# KiCad board B1_panel.kicad_pcb (continued)
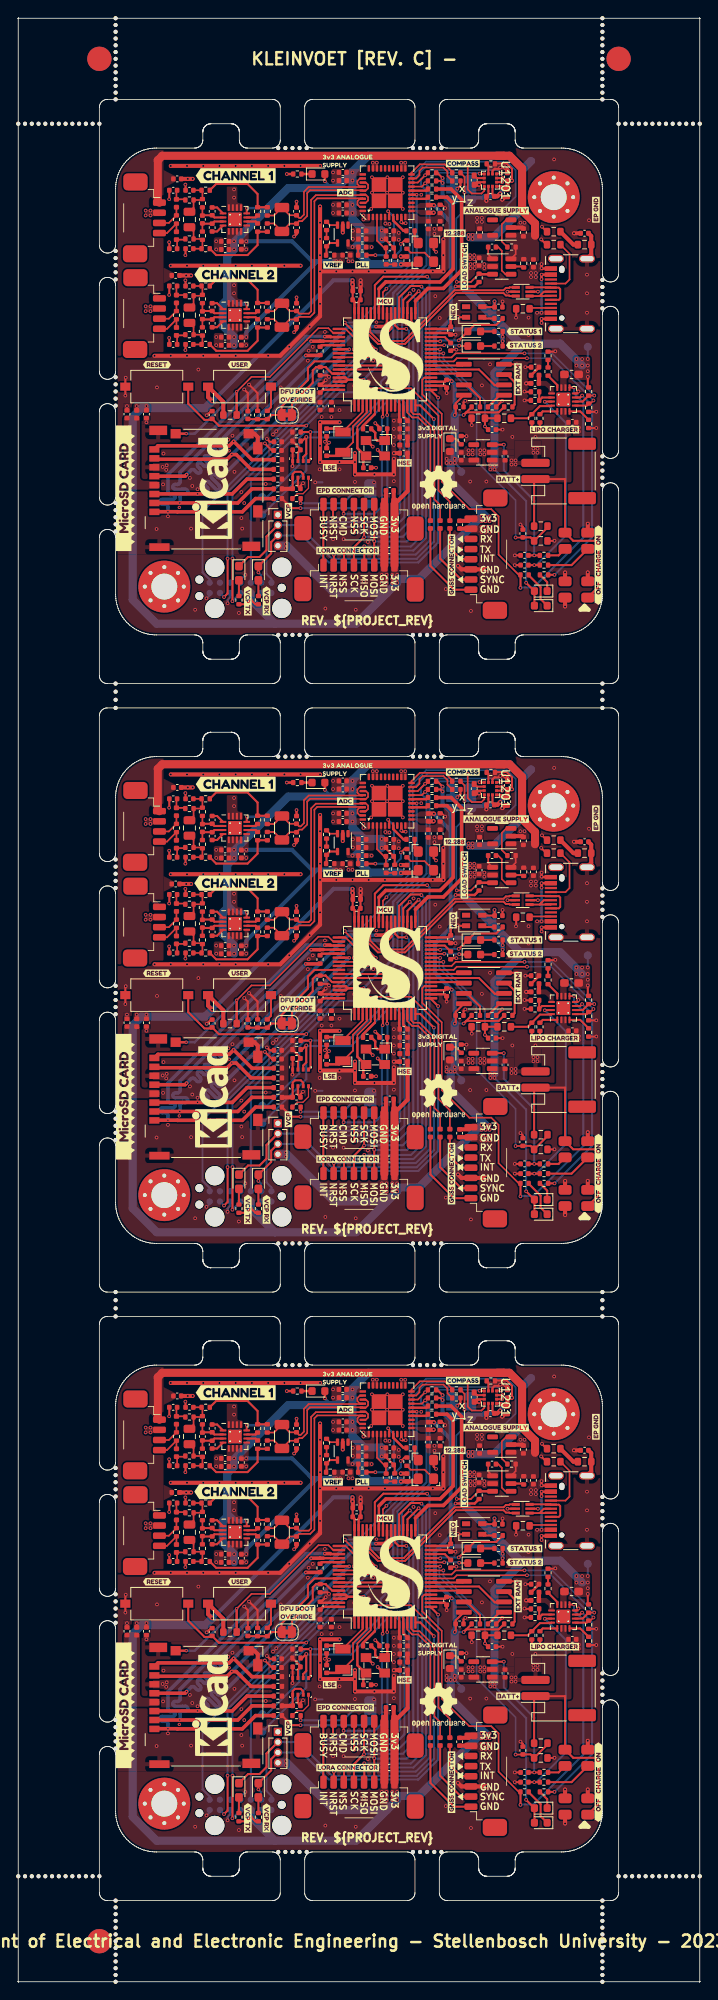
[diagram p0: board, top side]
## Footprints (pads in the part's own frame, mm; a bottom-side part is the same pattern mirrored in y, then rotated)
Bosch_LGA-8_2.5x2.5mm_P0.65mm_ClockwisePinNumbering
  rect 0.35x0.5 smd: 1(-0.975,1.025) 2(-0.325,1.025) 3(0.325,1.025) 4(0.975,1.025) 5(0.975,-1.025) 6(0.325,-1.025) 7(-0.325,-1.025) 8(-0.975,-1.025)
C_0402_1005Metric
  rrect 0.56x0.62 smd: 1(-0.48,0) 2(0.48,0)
C_0402_1005Metric_Pad0.74x0.62mm_HandSolder
  rrect 0.735x0.62 smd: 1(-0.568,0) 2(0.568,0)
C_0805_2012Metric
  rrect 1x1.45 smd: 1(-0.95,0) 2(0.95,0)
C_1206_3216Metric
  rrect 1.15x1.8 smd: 1(-1.475,0) 2(1.475,0)
Connector_Amphenol_10114828-xxx04LF_Vertical
  rrect 2.1x3 smd: (-4.425,1.45) (4.425,1.4)
  rrect 0.8x1.6 smd: 1(1.875,4.4) 2(0.625,4.4) 3(-0.625,4.4) 4(-1.875,4.4)
Connector_Amphenol_10114828-xxx08LF_Vertical
  rrect 2.1x3 smd: (-6.925,1.45) (6.925,1.4)
  rrect 0.8x1.6 smd: 1(4.375,4.4) 2(3.125,4.4) 3(1.875,4.4) 4(0.625,4.4) 5(-0.625,4.4) 6(-1.875,4.4) 7(-3.125,4.4) 8(-4.375,4.4)
ECS-33B
  rect 1.3x1.1 smd: 1(-1.15,-0.95) 2(1.15,-0.95) 3(1.15,0.95) 4(-1.15,0.95)
ECS-TXO-3225MV
  rrect 1.3x1.1 smd: 1(1.15,0.95) 2(-1.15,0.95) 3(-1.15,-0.95) 4(1.15,-0.95)
ECX-31B
  rect 1.1x1.9 smd: 1(-1.25,0) 2(1.25,0)
Fiducial
  round 3 smd: (0,0)
Fuse_0603_1608Metric_Pad1.05x0.95mm_HandSolder
  rrect 1.05x0.95 smd: 1(-0.875,0) 2(0.875,0)
JST_PH_S2B-PH-SM4-TB_1x02-1MP_P2.00mm_Horizontal
  rrect 1x3.5 smd: 1(-1,2.85) 2(1,2.85)
  rrect 1.5x3.4 smd: MP(-3.35,-2.9) MP(3.35,-2.9)
L_0402_1005Metric
  rrect 0.59x0.64 smd: 1(-0.485,0) 2(0.485,0)
LED_0603_1608Metric
  rrect 0.875x0.95 smd: 1(-0.787,0) 2(0.787,0)
LED_0603_1608Metric_Pad1.05x0.95mm_HandSolder
  rrect 1.05x0.95 smd: 1(-0.875,0) 2(0.875,0)
LED_SK6805_PLCC4_2.4x2.7mm_P1.3mm
  rect 1x0.6 smd: 1(-1,0.65) 2(-1,-0.65) 3(1,-0.65) 4(1,0.65)
LFCSP-WQ-40-1EP_6x6mm_P0.5_CP-40-14
  rrect 0.8x0.3 smd: 1(-3,2.25) 2(-3,1.75) 3(-3,1.25) 4(-3,0.75) 5(-3,0.25) 6(-3,-0.25) 7(-3,-0.75) 8(-3,-1.25) 9(-3,-1.75) 10(-3,-2.25) 21(3,-2.25) 22(3,-1.75) 23(3,-1.25) 24(3,-0.75) 25(3,-0.25) 26(3,0.25) 27(3,0.75) 28(3,1.25) 29(3,1.75) 30(3,2.25)
  rrect 0.3x0.8 smd: 11(-2.25,-3) 12(-1.75,-3) 13(-1.25,-3) 14(-0.75,-3) 15(-0.25,-3) 16(0.25,-3) 17(0.75,-3) 18(1.25,-3) 19(1.75,-3) 20(2.25,-3) 31(2.25,3) 32(1.75,3) 33(1.25,3) 34(0.75,3) 35(0.25,3) 36(-0.25,3) 37(-0.75,3) 38(-1.25,3) 39(-1.75,3) 40(-2.25,3)
  rrect 1.8x1.8 smd: EP(-1,1) EP(-1,-1) EP(1,1) EP(1,-1)
LIS3MDL_LGA-12_2x2mm_P0.5mm
  rect 0.375x0.35 smd: 1(-0.762,0.75) 2(-0.762,0.25) 3(-0.762,-0.25) 4(-0.762,-0.75) 7(0.762,-0.75) 8(0.762,-0.25) 9(0.762,0.25) 10(0.762,0.75)
  rect 0.35x0.375 smd: 5(-0.25,-0.762) 6(0.25,-0.762) 11(0.25,0.762) 12(-0.25,0.762)
LQFP-64_10x10mm_P0.5mm
  rrect 1.55x0.3 smd: 1(-5.675,3.75) 2(-5.675,3.25) 3(-5.675,2.75) 4(-5.675,2.25) 5(-5.675,1.75) 6(-5.675,1.25) 7(-5.675,0.75) 8(-5.675,0.25) 9(-5.675,-0.25) 10(-5.675,-0.75) 11(-5.675,-1.25) 12(-5.675,-1.75) 13(-5.675,-2.25) 14(-5.675,-2.75) 15(-5.675,-3.25) 16(-5.675,-3.75) 33(5.675,-3.75) 34(5.675,-3.25) 35(5.675,-2.75) 36(5.675,-2.25) 37(5.675,-1.75) 38(5.675,-1.25) 39(5.675,-0.75) 40(5.675,-0.25) 41(5.675,0.25) 42(5.675,0.75) 43(5.675,1.25) 44(5.675,1.75) 45(5.675,2.25) 46(5.675,2.75) 47(5.675,3.25) 48(5.675,3.75)
  rrect 0.3x1.55 smd: 17(-3.75,-5.675) 18(-3.25,-5.675) 19(-2.75,-5.675) 20(-2.25,-5.675) 21(-1.75,-5.675) 22(-1.25,-5.675) 23(-0.75,-5.675) 24(-0.25,-5.675) 25(0.25,-5.675) 26(0.75,-5.675) 27(1.25,-5.675) 28(1.75,-5.675) 29(2.25,-5.675) 30(2.75,-5.675) 31(3.25,-5.675) 32(3.75,-5.675) 49(3.75,5.675) 50(3.25,5.675) 51(2.75,5.675) 52(2.25,5.675) 53(1.75,5.675) 54(1.25,5.675) 55(0.75,5.675) 56(0.25,5.675) 57(-0.25,5.675) 58(-0.75,5.675) 59(-1.25,5.675) 60(-1.75,5.675) 61(-2.25,5.675) 62(-2.75,5.675) 63(-3.25,5.675) 64(-3.75,5.675)
microSD_HC_Molex_5031821852
  rect 0.8x1.25 smd: 1(4.82,-0.625) 2(5.92,-0.625) 3(7.02,-0.625) 4(8.12,-0.625) 5(9.22,-0.625) 6(10.32,-0.625) 7(11.42,-0.625) 8(12.52,-0.625)
  rect 1.16x1.25 smd: 9(14.46,-12.25) 10(14.46,-3.25)
  rect 0.95x2.5 smd: 11(0.475,-1.25)
  rect 1.15x2.2 smd: 11(0.575,-12.58) 11(14.865,-1.1)
  rect 1.5x1.15 smd: 11(4.88,-13.375) 11(12.66,-13.375)
MountingHole_3.2mm_M3_Pad_Via
  round 0.8 hole 0.5: 1(-2.4,0) 1(-1.697,1.697) 1(-1.697,-1.697) 1(0,2.4) 1(0,-2.4) 1(1.697,1.697) 1(1.697,-1.697) 1(2.4,0)
  round 6.4 hole 3.2: 1(0,0)
NPTH
  round 0.5 hole 0.5 unplated: (0,0)
PinHeader_1x04_P1.27mm_Vertical
  rect 1x1 hole 0.65: 1(0,0)
  oval 1x1 hole 0.65: 2(0,-1.27) 3(0,-2.54) 4(0,-3.81)
R_0402_1005Metric
  rrect 0.54x0.64 smd: 1(-0.51,0) 2(0.51,0)
R_0603_1608Metric
  rrect 0.8x0.95 smd: 1(-0.825,0) 2(0.825,0)
SOIC-8_3.9x4.9mm_P1.27mm
  rrect 1.95x0.6 smd: 1(-2.475,1.905) 2(-2.475,0.635) 3(-2.475,-0.635) 4(-2.475,-1.905) 5(2.475,-1.905) 6(2.475,-0.635) 7(2.475,0.635) 8(2.475,1.905)
SolderJumper-2_P1.3mm_Bridged_RoundedPad1.0x1.5mm
  custom 1x1.5 smd: 1(-0.65,0) 2(0.65,0)
SolderJumper-3_P1.3mm_Bridged12_RoundedPad1.0x1.5mm_NumberLabels
  custom 1.05x1.5 smd: 1(-1.3,0) 3(1.3,0)
  rect 1x1.5 smd: 2(0,0)
SOT-23-5
  rrect 1.325x0.6 smd: 1(-1.137,0.95) 2(-1.137,0) 3(-1.137,-0.95) 4(1.137,-0.95) 5(1.137,0.95)
SOT-23-6
  rrect 1.325x0.6 smd: 1(-1.137,0.95) 2(-1.137,0) 3(-1.137,-0.95) 4(1.137,-0.95) 5(1.137,0) 6(1.137,0.95)
SOT-666_Handsoldering
  rect 1x0.375 smd: 1(-0.85,0.537) 3(-0.85,-0.537) 4(0.85,-0.537) 6(0.85,0.537)
  rect 1.2x0.3 smd: 2(-0.925,0) 5(0.925,0)
SW_DP3T_Nidec-Cobal_CL-SB-23A
  rrect 1.2x1.6 smd: 1(-4,-1.4) 2(-2,-1.4) 3(2,-1.4) 4(4,-1.4) 5(-4,1.4) 6(-2,1.4) 7(2,1.4) 8(4,1.4)
SW_Tactile_SPST_NO_Straight_CK_PTS636Sx25SMTRLFS
  rect 1.25x1 smd: 1(-3.875,0) 2(3.875,0)
Tag-Connect_TC2070-IDC-FP_2x07_P1.27mm_Vertical
  round 2.375 hole 2.375 unplated: (-5.08,-2.54) (-5.08,2.54) (3.175,-2.54) (3.175,2.54)
  round 0.991 hole 0.991 unplated: (-5.08,0) (5.08,-1.016) (5.08,1.016)
  round 0.787 smd: 1(-3.81,-0.635) 2(-2.54,-0.635) 3(-1.27,-0.635) 4(0,-0.635) 5(1.27,-0.635) 6(2.54,-0.635) 7(3.81,-0.635) 8(3.81,0.635) 9(2.54,0.635) 10(1.27,0.635) 11(0,0.635) 12(-1.27,0.635) 13(-2.54,0.635) 14(-3.81,0.635)
TestPoint_Pad_D1.0mm
  round 1 smd: 1(0,0)
Texas_R-PDSO-G5_DCK-5
  rrect 0.9x0.4 smd: 1(-1.1,0.65) 2(-1.1,0) 3(-1.1,-0.65) 4(1.1,-0.65) 5(1.1,0.65)
USB_C_Recepetacle_JAE_DX07S016JA1
  round 0.65 hole 0.65 unplated: (-3,0)
  oval 0.9x0.65 hole 0.9x0.65 unplated: (3,0)
  rect 0.52x1.5 smd: A1(-3.1,1.35) A4(-2.35,1.35) A9(2.35,1.35) B1(3.1,1.35) B4(2.35,1.35) B9(-2.35,1.35) B12(-3.1,1.35)
  rect 0.28x1.5 smd: A5(-1.75,1.35) A6(-0.25,1.35) A7(0.75,1.35) A8(1.75,1.35) B5(1.25,1.35) B6(0.25,1.35) B7(-0.75,1.35) B8(-1.25,1.35)
  rect 0.523x1.5 smd: A12(3.1,1.35)
  oval 0.95x1.95 hole 0.65x1.65: S1(-4.32,0.725) S1(-4.32,-3.1) S1(4.32,0.725) S1(4.32,-3.1)
VQFN-16-1EP_3x3mm_P0.5mm_EP1.68x1.68mm_ThermalVias
  rrect 0.73x0.73 smd: (-0.42,0.42) (-0.42,-0.42) (0.42,0.42) (0.42,-0.42)
  rrect 0.825x0.25 smd: 1(-1.462,0.75) 2(-1.462,0.25) 3(-1.462,-0.25) 4(-1.462,-0.75) 9(1.462,-0.75) 10(1.462,-0.25) 11(1.462,0.25) 12(1.462,0.75)
  rrect 0.25x0.825 smd: 5(-0.75,-1.462) 6(-0.25,-1.462) 7(0.25,-1.462) 8(0.75,-1.462) 13(0.75,1.462) 14(0.25,1.462) 15(-0.25,1.462) 16(-0.75,1.462)
  round 0.5 hole 0.2: 17(-0.59,0.59) 17(-0.59,-0.59) 17(0.59,0.59) 17(0.59,-0.59)
  rect 1.68x1.68 smd: 17(0,0)
  rect 1.68x1.68 smd far side: 17(0,0)

## Nets
Board1_0-/AVCC_EN: R920#3.1 U101#3.41 U904#3.3
Board1_0-/Power/DVCC_EN: CB904.1 R911#2.1 U902#2.3
Board1_0-/Power/VBUS_CLEAN: C908.1 FB903#2.2 U901#3.13
Board1_1-/AVCC_EN: R920#2.1 U101#2.41 U904.3
Board1_1-/Power/DVCC_EN: CB904#2.1 R911.1 U902.3
Board1_1-/Power/VBUS_CLEAN: C908#3.1 FB903.2 U901.13
Board1_2-/AVCC_EN: R920.1 U101.41 U904#2.3
Board1_2-/Power/DVCC_EN: CB904#3.1 R911#3.1 U902#3.3
Board1_2-/Power/VBUS_CLEAN: C908#2.1 FB903#3.2 U901#2.13
Board1_0-+3.3VA: C902#3.1 CB901.1 CB902#2.1 FB901.2 U101#3.13
Board1_0-+3.3VADC: C401#2.1 C402#3.1 C403#2.1 C405.1 C406#2.1 C407#2.1 C414.2 C415#3.1 C708#2.2 C712#3.1 C808#2.2 C812#3.1 C910#3.1 CB401#2.1 D903#2.2 R404#2.1 R413.2 R414.2 TP904#3.1 U401#2.4 U401#2.31 U401#2.40 U402.5 U701#2.5 U701#2.6 U701#2.7 U701#2.8 U701#2.12 U801#3.5 U801#3.6 U801#3.7 U801#3.8 U801#3.12 U903.5 X401#2.4
Board1_0-+3V3: C103#3.1 C107#3.1 C201#2.1 C204#3.1 C205#3.1 C206#3.1 C306#3.1 C408.1 C901#2.1 C909.1 C1202#3.1 CB101#3.1 CB103#2.1 CB104#2.1 CB105#3.1 CB106#2.1 CB201#2.1 CB1201.1 CB1202#3.1 CB1301#3.1 CB1409.1 CB1410#3.1 D904.2 FB201.1 FB901.1 J202#2.3 J203#2.4 J205#2.1 J207.1 J301.1 JP401#3.3 JP402#3.3 JP1401#2.3 R102.1 R103.1 R105#3.2 R107#3.2 R201#2.2 R202#2.2 R203#2.2 R204.2 R205#2.2 R206#3.1 R410#3.2 R412.2 R920#3.2 R1201.1 R1301.1 R1302#3.1 R1401#3.2 R1402#2.2 SW102#2.1 TP903.1 U101#3.1 U101#3.19 U101#3.32 U101#3.48 U101#3.64 U401#2.12 U902#2.5 U1201.9 U1201.10 U1301#3.8 U1401.2 U1401.6 U1401.8
Board1_0-+BATT: C903#2.1 J201#3.1 R913#3.1 SW901#2.1 SW901#2.8 U901#3.2 U901#3.3
Board1_0-/ADC_Interface/ADC_1_N: C710#2.2 C711#3.1 R710.1 U401#2.32 U401#2.34
Board1_0-/ADC_Interface/ADC_1_P: C709.2 C710#2.1 R709#2.1 U401#2.33 U401#2.35
Board1_0-/ADC_Interface/ADC_2_N: C810#3.2 C811#3.1 R810.1 U401#2.36 U401#2.38
Board1_0-/ADC_Interface/ADC_2_P: C809#2.2 C810#3.1 R809#2.1 U401#2.37 U401#2.39
Board1_0-/ADC_Interface/ADC_AA_1/FB: C706#3.1 U701#2.4
Board1_0-/ADC_Interface/ADC_AA_1/FB_N: C701#3.1 C703.2 R701#3.1 R703#3.2 R705#2.2
Board1_0-/ADC_Interface/ADC_AA_1/FB_P: C702#2.1 C703.1 R702.1 R704.2 R706#2.2
Board1_0-/ADC_Interface/ADC_AA_1/IN: C704#2.1 C707#2.2 R704.1 U701#2.2
Board1_0-/ADC_Interface/ADC_AA_1/OUT: R707#3.2 U701#2.10
Board1_0-/ADC_Interface/ADC_AA_1/OUT_DRIVER: R705#2.1 R707#3.1 R709#2.2
Board1_0-/ADC_Interface/ADC_AA_1/~{FB}: C707#2.1 U701#2.1
Board1_0-/ADC_Interface/ADC_AA_1/~{IN}: C704#2.2 C706#3.2 R703#3.1 U701#2.3
Board1_0-/ADC_Interface/ADC_AA_1/~{OUT_DRIVER}: R706#2.1 R708.1 R710.2
Board1_0-/ADC_Interface/ADC_AA_1/~{OUT}: R708.2 U701#2.11
Board1_0-/ADC_Interface/ADC_AA_2/FB: C806#2.1 U801#3.4
Board1_0-/ADC_Interface/ADC_AA_2/FB_N: C801#3.1 C803#2.2 R801#2.1 R803#2.2 R805#3.2
Board1_0-/ADC_Interface/ADC_AA_2/FB_P: C802#2.1 C803#2.1 R802.1 R804#2.2 R806#3.2
Board1_0-/ADC_Interface/ADC_AA_2/IN: C804.1 C807.2 R804#2.1 U801#3.2
Board1_0-/ADC_Interface/ADC_AA_2/OUT: R807#2.2 U801#3.10
Board1_0-/ADC_Interface/ADC_AA_2/OUT_DRIVER: R805#3.1 R807#2.1 R809#2.2
Board1_0-/ADC_Interface/ADC_AA_2/~{FB}: C807.1 U801#3.1
Board1_0-/ADC_Interface/ADC_AA_2/~{IN}: C804.2 C806#2.2 R803#2.1 U801#3.3
Board1_0-/ADC_Interface/ADC_AA_2/~{OUT_DRIVER}: R806#3.1 R808#2.1 R810.2
Board1_0-/ADC_Interface/ADC_AA_2/~{OUT}: R808#2.2 U801#3.11
Board1_0-/ADC_Interface/ADC_PORT_1_SIG_N: C502.2 FB502.2 R701#3.2
Board1_0-/ADC_Interface/ADC_PORT_1_SIG_P: C501.1 FB501.2 R702.2
Board1_0-/ADC_Interface/ADC_PORT_2_SIG_N: C602#3.2 FB602#2.2 R801#2.2
Board1_0-/ADC_Interface/ADC_PORT_2_SIG_P: C601#2.1 FB601#3.2 R802.2
Board1_0-/ADC_Interface/ADC_VDD: C411#2.1 C412#3.1 R403#3.1 U401#2.10
Board1_0-/ADC_Interface/ADC_~{RST}: R413.1 U401#2.6
Board1_0-/ADC_Interface/BCLK: R409#3.2 U401#2.16
Board1_0-/ADC_Interface/CLK: R405#3.1 U401#2.7
Board1_0-/ADC_Interface/CLK_12.288: R405#3.2 X401#2.3
Board1_0-/ADC_Interface/FB: R401.2 U402.3
Board1_0-/ADC_Interface/FB_MID: R401.1 R402.2
Board1_0-/ADC_Interface/PLL: C413.1 C414.1 U401#2.3
Board1_0-/ADC_Interface/PLL_MID: C413.2 R414.1
Board1_0-/ADC_Interface/SDATA: R411#3.2 U401#2.14
Board1_0-/ADC_Interface/Sensor_Conn_1/SIG_CONN_N: FB502.1 J501#3.1 R501.2
Board1_0-/ADC_Interface/Sensor_Conn_1/SIG_CONN_P: FB501.1 J501#3.2 R501.1
Board1_0-/ADC_Interface/Sensor_Conn_2/SIG_CONN_N: FB602#2.1 J601#2.1 R601.2
Board1_0-/ADC_Interface/Sensor_Conn_2/SIG_CONN_P: FB601#3.1 J601#2.2 R601.1
Board1_0-/ADC_Interface/VCM: C404#2.1 C705.1 C805#3.1 R406#3.1 U701#2.9 U801#3.9
Board1_0-/ADC_Interface/VREF: C409#2.1 C410#3.1 U401#2.2 U402.1
Board1_0-/ADC_Interface/VREF_BUFF: R402.1 R406#3.2 U402.4
Board1_0-/ADC_SAI_BCLK: R409#3.1 U101#3.33
Board1_0-/ADC_SAI_FS: U101#3.61 U101#3.62 U401#2.15
Board1_0-/ADC_SAI_SD_B: R411#3.1 U101#3.42
Board1_0-/BATT_~{CHG}: R908#3.1 U101#3.20 U901#3.9
Board1_0-/BOOT0: JP101.1 R101.1 U101#3.60
Board1_0-/CHARGE_EN1: R912.1 U101#3.25 U901#3.6
Board1_0-/CHARGE_EN2: R917#3.1 U101#3.24 U901#3.5
Board1_0-/CompassMagnetometer/CHARGE_PUMP: C1201#3.2 U1201.5
Board1_0-/CompassMagnetometer/~{CS}: R1201.2 U1201.3
Board1_0-/CONN_MISO: J205#2.4 U101#3.35
Board1_0-/CONN_MOSI: J205#2.3 J207.3 U101#3.36
Board1_0-/CONN_SCK: J205#2.5 J207.4 U101#3.34
Board1_0-/Connectors/SDIO_CLK_TERM: J204#2.5 R207#3.1
Board1_0-/Connectors/USB_CC1: J206#3.A5 R209#2.2
Board1_0-/Connectors/USB_CC2: J206#3.B5 R208#3.2
Board1_0-/Connectors/USB_CONN_D+: J206#3.A6 J206#3.B6 U201#2.4
Board1_0-/Connectors/USB_CONN_D-: J206#3.A7 J206#3.B7 U201#2.6
Board1_0-/EnviromentalSensor/I2C_ADDR: R1403#2.1 U1401.5
Board1_0-/EnviromentalSensor/I2C_ADDR_SEL: JP1401#2.2 R1403#2.2
Board1_0-/EPD_BUSY: J207.8 U101#3.10
Board1_0-/EPD_~{CMD}: J207.6 U101#3.8
Board1_0-/EPD_~{RST}: J207.7 U101#3.9
Board1_0-/EPD_~{SS}: J207.5 U101#3.38
Board1_0-/GNSS_Module/GPS_RX: FB102.1 J301.7
Board1_0-/GNSS_Module/GPS_TX: FB101#3.1 J301.8
Board1_0-/GPS_RX: FB102.2 U101#3.15
Board1_0-/GPS_SYNC: FB304.1 U101#3.2
Board1_0-/GPS_TX: FB101#3.2 U101#3.14
Board1_0-/I2C1_SCL: R410#3.1 R1402#2.1 TP407#2.1 U101#3.58 U401#2.18 U1201.1 U1401.4
Board1_0-/I2C1_SDA: R412.1 R1401#3.1 TP406#2.1 U101#3.59 U401#2.17 U1201.4 U1401.3
Board1_0-/I_CHARGE: CB907#2.1 R915#2.2 R916#2.1 U101#3.26
Board1_0-/LED_STATUS_B: D103#3.1 R104.2 U101#3.29
Board1_0-/LED_STATUS_O: D104#2.1 U101#3.28
Board1_0-/LORA_INT: J205#2.8 U101#3.11
Board1_0-/LORA_~{RST}: J205#2.7 U101#3.43
Board1_0-/LORA_~{SS}: J205#2.6 U101#3.37
Board1_0-/MAG_INT: U101#3.56 U1201.7
Board1_0-/OSC_HSE_IN: C102#2.1 U101#3.5 Y101#3.1
Board1_0-/OSC_HSE_OUT: R106#3.2 U101#3.6
Board1_0-/OSC_LSE_IN: C106#2.1 U101#3.3 Y102.2
Board1_0-/OSC_LSE_OUT: C105#2.1 U101#3.4 Y102.1
Board1_0-/Power/C_{T}: C912#2.1 U904#3.4
Board1_0-/Power/DPWR_SW: R911#2.2 SW901#2.7
Board1_0-/Power/ILIM: R902#2.1 U901#3.12
Board1_0-/Power/ISET: R901#3.1 R915#2.1 U901#3.16
Board1_0-/Power/PWR_SW: R910.1 SW901#2.3
Board1_0-/Power/SYSOFF: CB903#2.1 R910.2 U901#3.15
Board1_0-/Power/TEMP_SENS: R909#2.1 U901#3.1
Board1_0-/Power/TMR: R904#3.1 R906#2.1 U901#3.14
Board1_0-/Power/VOUT: F901#3.1 U901#3.10 U901#3.11
Board1_0-/Power/~{CE}: R907#2.1 U901#3.4
Board1_0-/Power/~{PGOOD}: R905#2.1 U901#3.7
Board1_0-/SDIO_CD: J204#2.10 R206#3.2 U101#3.50
Board1_0-/SDIO_CLK: R207#3.2 U101#3.53
Board1_0-/SDIO_CMD: J204#2.3 R203#2.1 U101#3.54
Board1_0-/SDIO_D0: J204#2.7 R204.1 U101#3.39
Board1_0-/SDIO_D1: J204#2.8 R205#2.1 U101#3.40
Board1_0-/SDIO_D2: J204#2.1 R201#2.1 U101#3.51
Board1_0-/SDIO_D3: J204#2.2 R202#2.1 U101#3.52
Board1_0-/SRAM_MISO: U101#3.22 U1301#3.2
Board1_0-/SRAM_MOSI: U101#3.23 U1301#3.5
Board1_0-/SRAM_SCK: U101#3.21 U1301#3.6
Board1_0-/SWCLK: J202#2.6 U101#3.49
Board1_0-/SWDIO: J202#2.4 U101#3.46
Board1_0-/SWO: J202#2.8 U101#3.55
Board1_0-/USB_DN: U101#3.44 U201#2.1
Board1_0-/USB_DP: U101#3.45 U201#2.3
Board1_0-/USR_BTN: CB107#3.2 JP101.2 R1#3.2 R108#3.1 U101#3.57
Board1_0-/V_MONITOR: CB906.1 R913#3.2 R914#2.1 U101#3.27
Board1_0-/VCAP: C101#2.1 U101#3.30
Board1_0-/VCP_RX: D101#2.1 J202#2.13 J203#2.3 U101#3.17
Board1_0-/VCP_TX: D102.1 J202#2.14 J203#2.2 U101#3.16
Board1_0-/~{RST}: CB102#3.1 J202#2.12 SW101#2.1 U101#3.7
Board1_0-Earth: C203#3.1 J206#3.S1 R211.2
Board1_0-GND: C101#2.2 C102#2.2 C103#3.2 C104#3.2 C105#2.2 C106#2.2 C107#3.2 C201#2.2 C202.2 C203#3.2 C204#3.2 C205#3.2 C206#3.2 C306#3.2 C401#2.2 C402#3.2 C403#2.2 C404#2.2 C405.2 C406#2.2 C407#2.2 C408.2 C409#2.2 C410#3.2 C411#2.2 C412#3.2 C415#3.2 C416#2.2 C417#2.2 C501.2 C502.1 C601#2.2 C602#3.1 C701#3.2 C702#2.2 C705.2 C708#2.1 C709.1 C711#3.2 C712#3.2 C801#3.2 C802#2.2 C805#3.2 C808#2.1 C809#2.1 C811#3.2 C812#3.2 C901#2.2 C902#3.2 C903#2.2 C904#3.2 C905#3.2 C906#3.2 C907.2 C908.2 C909.2 C910#3.2 C911.2 C1201#3.1 C1202#3.2 CB101#3.2 CB102#3.2 CB103#2.2 CB104#2.2 CB105#3.2 CB106#2.2 CB107#3.1 CB108#2.2 CB201#2.2 CB401#2.2 CB901.2 CB902#2.2 CB903#2.2 CB904.2 CB906.2 CB907#2.2 CB1201.2 CB1202#3.2 CB1301#3.2 CB1409.2 CB1410#3.2 D105#2.2 H201#3.1 H202#3.1 J201#3.2 J202#2.5 J202#2.7 J202#2.11 J203#2.1 J204#2.6 J204#2.9 J204#2.11 J205#2.2 J206#3.A1 J206#3.A12 J206#3.B1 J206#3.B12 J207.2 J301.2 J301.6 J501#3.3 J601#2.3 JP401#3.1 JP402#3.1 JP1401#2.1 R1#3.1 R101.2 R208#3.1 R209#2.1 R210.1 R403#3.2 R901#3.2 R903#3.2 R904#3.2 R906#2.2 R907#2.2 R909#2.2 R914#2.2 R916#2.2 R917#3.2 R918#3.1 R919#3.1 R1303.2 SW101#2.2 SW901#2.2 SW901#2.4 SW901#2.5 SW901#2.6 U101#3.12 U101#3.18 U101#3.31 U101#3.47 U101#3.63 U201#2.2 U401#2.1 U401#2.5 U401#2.9 U401#2.11 U401#2.21 U401#2.22 U401#2.28 U401#2.29 U401#2.EP U402.2 U701#2.13 U701#2.14 U701#2.15 U701#2.16 U701#2.17 U801#3.13 U801#3.14 U801#3.15 U801#3.16 U801#3.17 U901#3.8 U901#3.17 U902#2.2 U903.2 U904#3.2 U1201.2 U1201.6 U1201.8 U1201.11 U1201.12 U1301#3.4 U1401.1 U1401.7 X401#2.2 Y101#3.2 Y101#3.4
Board1_0-Net-(C104-Pad1): C104#3.1 R106#3.1 Y101#3.3
Board1_0-Net-(D101-A): D101#2.2 R102.2
Board1_0-Net-(D102-A): D102.2 R103.2
Board1_0-Net-(D103-A): D103#3.2 R105#3.1
Board1_0-Net-(D104-A): D104#2.2 R107#3.1
Board1_0-Net-(D105-DIN): D105#2.3 R104.1
Board1_0-Net-(D901-K): D901#2.1 R905#2.2
Board1_0-Net-(D902-K): D902#2.1 R908#3.2
Board1_0-Net-(D903-K): D903#2.1 R918#3.2
Board1_0-Net-(D904-K): D904.1 R919#3.2
Board1_0-Net-(J301-Pin_5): FB304.2 J301.5
Board1_0-Net-(JP401-C): JP401#3.2 R408#3.2
Board1_0-Net-(JP402-C): JP402#3.2 R407#3.2
Board1_0-Net-(R108-Pad2): R108#3.2 SW102#2.2
Board1_0-Net-(R210-Pad2): R210.2 R211.1
Board1_0-Net-(R902-Pad2): R902#2.2 R903#3.1
Board1_0-Net-(U401-ADDR0/CLATCH): R407#3.1 U401#2.19
Board1_0-Net-(U401-ADDR1/CIN): R408#3.1 U401#2.20
Board1_0-Net-(U903-EN): R921.1 U903.3
Board1_0-Net-(U904-QOD): R922#3.1 U904#3.5
Board1_0-Net-(U1301-NU): R1301.2 U1301#3.3
Board1_0-Net-(U1301-~{CS}): R1303.1 U1301#3.1
Board1_0-Net-(U1301-~{HOLD}): R1302#3.2 U1301#3.7
Board1_0-Net-(X401-Tri-State): R404#2.2 X401#2.1
Board1_0-unconnected-(D105-DOUT-Pad1): D105#2.1
Board1_0-unconnected-(J202-JRCLK/NC-Pad9): J202#2.9
Board1_0-unconnected-(J202-JTDI/NC-Pad10): J202#2.10
Board1_0-unconnected-(J202-NC-Pad1): J202#2.1
Board1_0-unconnected-(J202-NC-Pad2): J202#2.2
Board1_0-unconnected-(J206-SBU1-PadA8): J206#3.A8
Board1_0-unconnected-(J206-SBU2-PadB8): J206#3.B8
Board1_0-unconnected-(J301-Pin_3-Pad3): J301.3
Board1_0-unconnected-(J301-Pin_4-Pad4): J301.4
Board1_0-unconnected-(U401-NC-Pad8): U401#2.8
Board1_0-unconnected-(U401-NC-Pad23): U401#2.23
Board1_0-unconnected-(U401-NC-Pad24): U401#2.24
Board1_0-unconnected-(U401-NC-Pad25): U401#2.25
Board1_0-unconnected-(U401-NC-Pad26): U401#2.26
Board1_0-unconnected-(U401-NC-Pad27): U401#2.27
Board1_0-unconnected-(U401-NC-Pad30): U401#2.30
Board1_0-unconnected-(U401-SDATAOUT1-Pad13): U401#2.13
Board1_0-unconnected-(U902-NC-Pad4): U902#2.4
Board1_0-unconnected-(U903-NC-Pad4): U903.4
Board1_0-VAA: C202.1 FB201.2 J204#2.4
Board1_0-VBUS: C904#3.1 FB903#2.1 J206#3.A4 J206#3.A9 J206#3.B4 J206#3.B9 U201#2.5
Board1_0-VCC: C906#3.1 C907.1 C912#2.2 CB108#2.1 D105#2.4 D901#2.2 D902#2.2 F901#3.2 R912.2 TP902#2.1 U902#2.1 U904#3.1
Board1_0-VCC_LOAD_SWITCH: C416#2.1 C417#2.1 C905#3.1 C911.1 J501#3.4 J601#2.4 R921.2 R922#3.2 U903.1 U904#3.6
Board1_1-+3.3VA: C902#2.1 CB901#2.1 CB902.1 FB901#3.2 U101#2.13
Board1_1-+3.3VADC: C401#3.1 C402.1 C403.1 C405#2.1 C406#3.1 C407.1 C414#2.2 C415.1 C708#3.2 C712.1 C808.2 C812.1 C910#2.1 CB401.1 D903.2 R404#3.1 R413#3.2 R414#2.2 TP904#2.1 U401#3.4 U401#3.31 U401#3.40 U402#3.5 U701.5 U701.6 U701.7 U701.8 U701.12 U801.5 U801.6 U801.7 U801.8 U801.12 U903#2.5 X401#3.4
Board1_1-+3V3: C103#2.1 C107#2.1 C201.1 C204.1 C205#2.1 C206#2.1 C306#2.1 C408#2.1 C901.1 C909#2.1 C1202#2.1 CB101#2.1 CB103#3.1 CB104.1 CB105.1 CB106.1 CB201.1 CB1201#2.1 CB1202#2.1 CB1301#2.1 CB1409#2.1 CB1410.1 D904#3.2 FB201#3.1 FB901#3.1 J202#3.3 J203#3.4 J205.1 J207#2.1 J301#3.1 JP401#2.3 JP402.3 JP1401.3 R102#3.1 R103#3.1 R105.2 R107#2.2 R201.2 R202.2 R203#3.2 R204#2.2 R205#3.2 R206#2.1 R410.2 R412#2.2 R920#2.2 R1201#2.1 R1301#2.1 R1302#2.1 R1401.2 R1402.2 SW102.1 TP903#2.1 U101#2.1 U101#2.19 U101#2.32 U101#2.48 U101#2.64 U401#3.12 U902.5 U1201#3.9 U1201#3.10 U1301#2.8 U1401#2.2 U1401#2.6 U1401#2.8
Board1_1-+BATT: C903.1 J201.1 R913.1 SW901#3.1 SW901#3.8 U901.2 U901.3
Board1_1-/ADC_Interface/ADC_1_N: C710#3.2 C711#2.1 R710#3.1 U401#3.32 U401#3.34
Board1_1-/ADC_Interface/ADC_1_P: C709#2.2 C710#3.1 R709#3.1 U401#3.33 U401#3.35
Board1_1-/ADC_Interface/ADC_2_N: C810.2 C811#2.1 R810#2.1 U401#3.36 U401#3.38
Board1_1-/ADC_Interface/ADC_2_P: C809#3.2 C810.1 R809.1 U401#3.37 U401#3.39
Board1_1-/ADC_Interface/ADC_AA_1/FB: C706.1 U701.4
Board1_1-/ADC_Interface/ADC_AA_1/FB_N: C701#2.1 C703#2.2 R701#2.1 R703#2.2 R705#3.2
Board1_1-/ADC_Interface/ADC_AA_1/FB_P: C702.1 C703#2.1 R702#2.1 R704#2.2 R706#3.2
Board1_1-/ADC_Interface/ADC_AA_1/IN: C704.1 C707.2 R704#2.1 U701.2
Board1_1-/ADC_Interface/ADC_AA_1/OUT: R707#2.2 U701.10
Board1_1-/ADC_Interface/ADC_AA_1/OUT_DRIVER: R705#3.1 R707#2.1 R709#3.2
Board1_1-/ADC_Interface/ADC_AA_1/~{FB}: C707.1 U701.1
Board1_1-/ADC_Interface/ADC_AA_1/~{IN}: C704.2 C706.2 R703#2.1 U701.3
Board1_1-/ADC_Interface/ADC_AA_1/~{OUT_DRIVER}: R706#3.1 R708#2.1 R710#3.2
Board1_1-/ADC_Interface/ADC_AA_1/~{OUT}: R708#2.2 U701.11
Board1_1-/ADC_Interface/ADC_AA_2/FB: C806.1 U801.4
Board1_1-/ADC_Interface/ADC_AA_2/FB_N: C801.1 C803#3.2 R801.1 R803.2 R805#2.2
Board1_1-/ADC_Interface/ADC_AA_2/FB_P: C802#3.1 C803#3.1 R802#2.1 R804.2 R806.2
Board1_1-/ADC_Interface/ADC_AA_2/IN: C804#3.1 C807#2.2 R804.1 U801.2
Board1_1-/ADC_Interface/ADC_AA_2/OUT: R807#3.2 U801.10
Board1_1-/ADC_Interface/ADC_AA_2/OUT_DRIVER: R805#2.1 R807#3.1 R809.2
Board1_1-/ADC_Interface/ADC_AA_2/~{FB}: C807#2.1 U801.1
Board1_1-/ADC_Interface/ADC_AA_2/~{IN}: C804#3.2 C806.2 R803.1 U801.3
Board1_1-/ADC_Interface/ADC_AA_2/~{OUT_DRIVER}: R806.1 R808#3.1 R810#2.2
Board1_1-/ADC_Interface/ADC_AA_2/~{OUT}: R808#3.2 U801.11
Board1_1-/ADC_Interface/ADC_PORT_1_SIG_N: C502#3.2 FB502#2.2 R701#2.2
Board1_1-/ADC_Interface/ADC_PORT_1_SIG_P: C501#2.1 FB501#2.2 R702#2.2
Board1_1-/ADC_Interface/ADC_PORT_2_SIG_N: C602#2.2 FB602.2 R801.2
Board1_1-/ADC_Interface/ADC_PORT_2_SIG_P: C601.1 FB601.2 R802#2.2
Board1_1-/ADC_Interface/ADC_VDD: C411#3.1 C412.1 R403.1 U401#3.10
Board1_1-/ADC_Interface/ADC_~{RST}: R413#3.1 U401#3.6
Board1_1-/ADC_Interface/BCLK: R409.2 U401#3.16
Board1_1-/ADC_Interface/CLK: R405.1 U401#3.7
Board1_1-/ADC_Interface/CLK_12.288: R405.2 X401#3.3
Board1_1-/ADC_Interface/FB: R401#2.2 U402#3.3
Board1_1-/ADC_Interface/FB_MID: R401#2.1 R402#3.2
Board1_1-/ADC_Interface/PLL: C413#2.1 C414#2.1 U401#3.3
Board1_1-/ADC_Interface/PLL_MID: C413#2.2 R414#2.1
Board1_1-/ADC_Interface/SDATA: R411.2 U401#3.14
Board1_1-/ADC_Interface/Sensor_Conn_1/SIG_CONN_N: FB502#2.1 J501.1 R501#3.2
Board1_1-/ADC_Interface/Sensor_Conn_1/SIG_CONN_P: FB501#2.1 J501.2 R501#3.1
Board1_1-/ADC_Interface/Sensor_Conn_2/SIG_CONN_N: FB602.1 J601.1 R601#2.2
Board1_1-/ADC_Interface/Sensor_Conn_2/SIG_CONN_P: FB601.1 J601.2 R601#2.1
Board1_1-/ADC_Interface/VCM: C404.1 C705#2.1 C805#2.1 R406.1 U701.9 U801.9
Board1_1-/ADC_Interface/VREF: C409.1 C410.1 U401#3.2 U402#3.1
Board1_1-/ADC_Interface/VREF_BUFF: R402#3.1 R406.2 U402#3.4
Board1_1-/ADC_SAI_BCLK: R409.1 U101#2.33
Board1_1-/ADC_SAI_FS: U101#2.61 U101#2.62 U401#3.15
Board1_1-/ADC_SAI_SD_B: R411.1 U101#2.42
Board1_1-/BATT_~{CHG}: R908.1 U101#2.20 U901.9
Board1_1-/BOOT0: JP101#2.1 R101#2.1 U101#2.60
Board1_1-/CHARGE_EN1: R912#3.1 U101#2.25 U901.6
Board1_1-/CHARGE_EN2: R917.1 U101#2.24 U901.5
Board1_1-/CompassMagnetometer/CHARGE_PUMP: C1201.2 U1201#3.5
Board1_1-/CompassMagnetometer/~{CS}: R1201#2.2 U1201#3.3
Board1_1-/CONN_MISO: J205.4 U101#2.35
Board1_1-/CONN_MOSI: J205.3 J207#2.3 U101#2.36
Board1_1-/CONN_SCK: J205.5 J207#2.4 U101#2.34
Board1_1-/Connectors/SDIO_CLK_TERM: J204#3.5 R207.1
Board1_1-/Connectors/USB_CC1: J206.A5 R209#3.2
Board1_1-/Connectors/USB_CC2: J206.B5 R208#2.2
Board1_1-/Connectors/USB_CONN_D+: J206.A6 J206.B6 U201#3.4
Board1_1-/Connectors/USB_CONN_D-: J206.A7 J206.B7 U201#3.6
Board1_1-/EnviromentalSensor/I2C_ADDR: R1403.1 U1401#2.5
Board1_1-/EnviromentalSensor/I2C_ADDR_SEL: JP1401.2 R1403.2
Board1_1-/EPD_BUSY: J207#2.8 U101#2.10
Board1_1-/EPD_~{CMD}: J207#2.6 U101#2.8
Board1_1-/EPD_~{RST}: J207#2.7 U101#2.9
Board1_1-/EPD_~{SS}: J207#2.5 U101#2.38
Board1_1-/GNSS_Module/GPS_RX: FB102#2.1 J301#3.7
Board1_1-/GNSS_Module/GPS_TX: FB101#2.1 J301#3.8
Board1_1-/GPS_RX: FB102#2.2 U101#2.15
Board1_1-/GPS_SYNC: FB304#3.1 U101#2.2
Board1_1-/GPS_TX: FB101#2.2 U101#2.14
Board1_1-/I2C1_SCL: R410.1 R1402.1 TP407#3.1 U101#2.58 U401#3.18 U1201#3.1 U1401#2.4
Board1_1-/I2C1_SDA: R412#2.1 R1401.1 TP406.1 U101#2.59 U401#3.17 U1201#3.4 U1401#2.3
Board1_1-/I_CHARGE: CB907#3.1 R915#3.2 R916.1 U101#2.26
Board1_1-/LED_STATUS_B: D103.1 R104#3.2 U101#2.29
Board1_1-/LED_STATUS_O: D104#3.1 U101#2.28
Board1_1-/LORA_INT: J205.8 U101#2.11
Board1_1-/LORA_~{RST}: J205.7 U101#2.43
Board1_1-/LORA_~{SS}: J205.6 U101#2.37
Board1_1-/MAG_INT: U101#2.56 U1201#3.7
Board1_1-/OSC_HSE_IN: C102#3.1 U101#2.5 Y101#2.1
Board1_1-/OSC_HSE_OUT: R106.2 U101#2.6
Board1_1-/OSC_LSE_IN: C106#3.1 U101#2.3 Y102#3.2
Board1_1-/OSC_LSE_OUT: C105#3.1 U101#2.4 Y102#3.1
Board1_1-/Power/C_{T}: C912.1 U904.4
Board1_1-/Power/DPWR_SW: R911.2 SW901#3.7
Board1_1-/Power/ILIM: R902#3.1 U901.12
Board1_1-/Power/ISET: R901#2.1 R915#3.1 U901.16
Board1_1-/Power/PWR_SW: R910#3.1 SW901#3.3
Board1_1-/Power/SYSOFF: CB903.1 R910#3.2 U901.15
Board1_1-/Power/TEMP_SENS: R909#3.1 U901.1
Board1_1-/Power/TMR: R904.1 R906#3.1 U901.14
Board1_1-/Power/VOUT: F901.1 U901.10 U901.11
Board1_1-/Power/~{CE}: R907#3.1 U901.4
Board1_1-/Power/~{PGOOD}: R905.1 U901.7
Board1_1-/SDIO_CD: J204#3.10 R206#2.2 U101#2.50
Board1_1-/SDIO_CLK: R207.2 U101#2.53
Board1_1-/SDIO_CMD: J204#3.3 R203#3.1 U101#2.54
Board1_1-/SDIO_D0: J204#3.7 R204#2.1 U101#2.39
Board1_1-/SDIO_D1: J204#3.8 R205#3.1 U101#2.40
Board1_1-/SDIO_D2: J204#3.1 R201.1 U101#2.51
Board1_1-/SDIO_D3: J204#3.2 R202.1 U101#2.52
Board1_1-/SRAM_MISO: U101#2.22 U1301#2.2
Board1_1-/SRAM_MOSI: U101#2.23 U1301#2.5
Board1_1-/SRAM_SCK: U101#2.21 U1301#2.6
Board1_1-/SWCLK: J202#3.6 U101#2.49
Board1_1-/SWDIO: J202#3.4 U101#2.46
Board1_1-/SWO: J202#3.8 U101#2.55
Board1_1-/USB_DN: U101#2.44 U201#3.1
Board1_1-/USB_DP: U101#2.45 U201#3.3
Board1_1-/USR_BTN: CB107#2.2 JP101#2.2 R1.2 R108#2.1 U101#2.57
Board1_1-/V_MONITOR: CB906#3.1 R913.2 R914#3.1 U101#2.27
Board1_1-/VCAP: C101#3.1 U101#2.30
Board1_1-/VCP_RX: D101.1 J202#3.13 J203#3.3 U101#2.17
Board1_1-/VCP_TX: D102#3.1 J202#3.14 J203#3.2 U101#2.16
Board1_1-/~{RST}: CB102.1 J202#3.12 SW101#3.1 U101#2.7
Board1_1-Earth: C203#2.1 J206.S1 R211#2.2
